# Altium PCB PCB1.PcbDoc
Units mm, origin at the board's own origin, x right, y up, seen from the top; angles counter-clockwise.
Board outline 100 x 100 mm, 2 copper layers (Top Layer, Bottom Layer); 98 components, 56 nets, 328 pads, 151 vias.
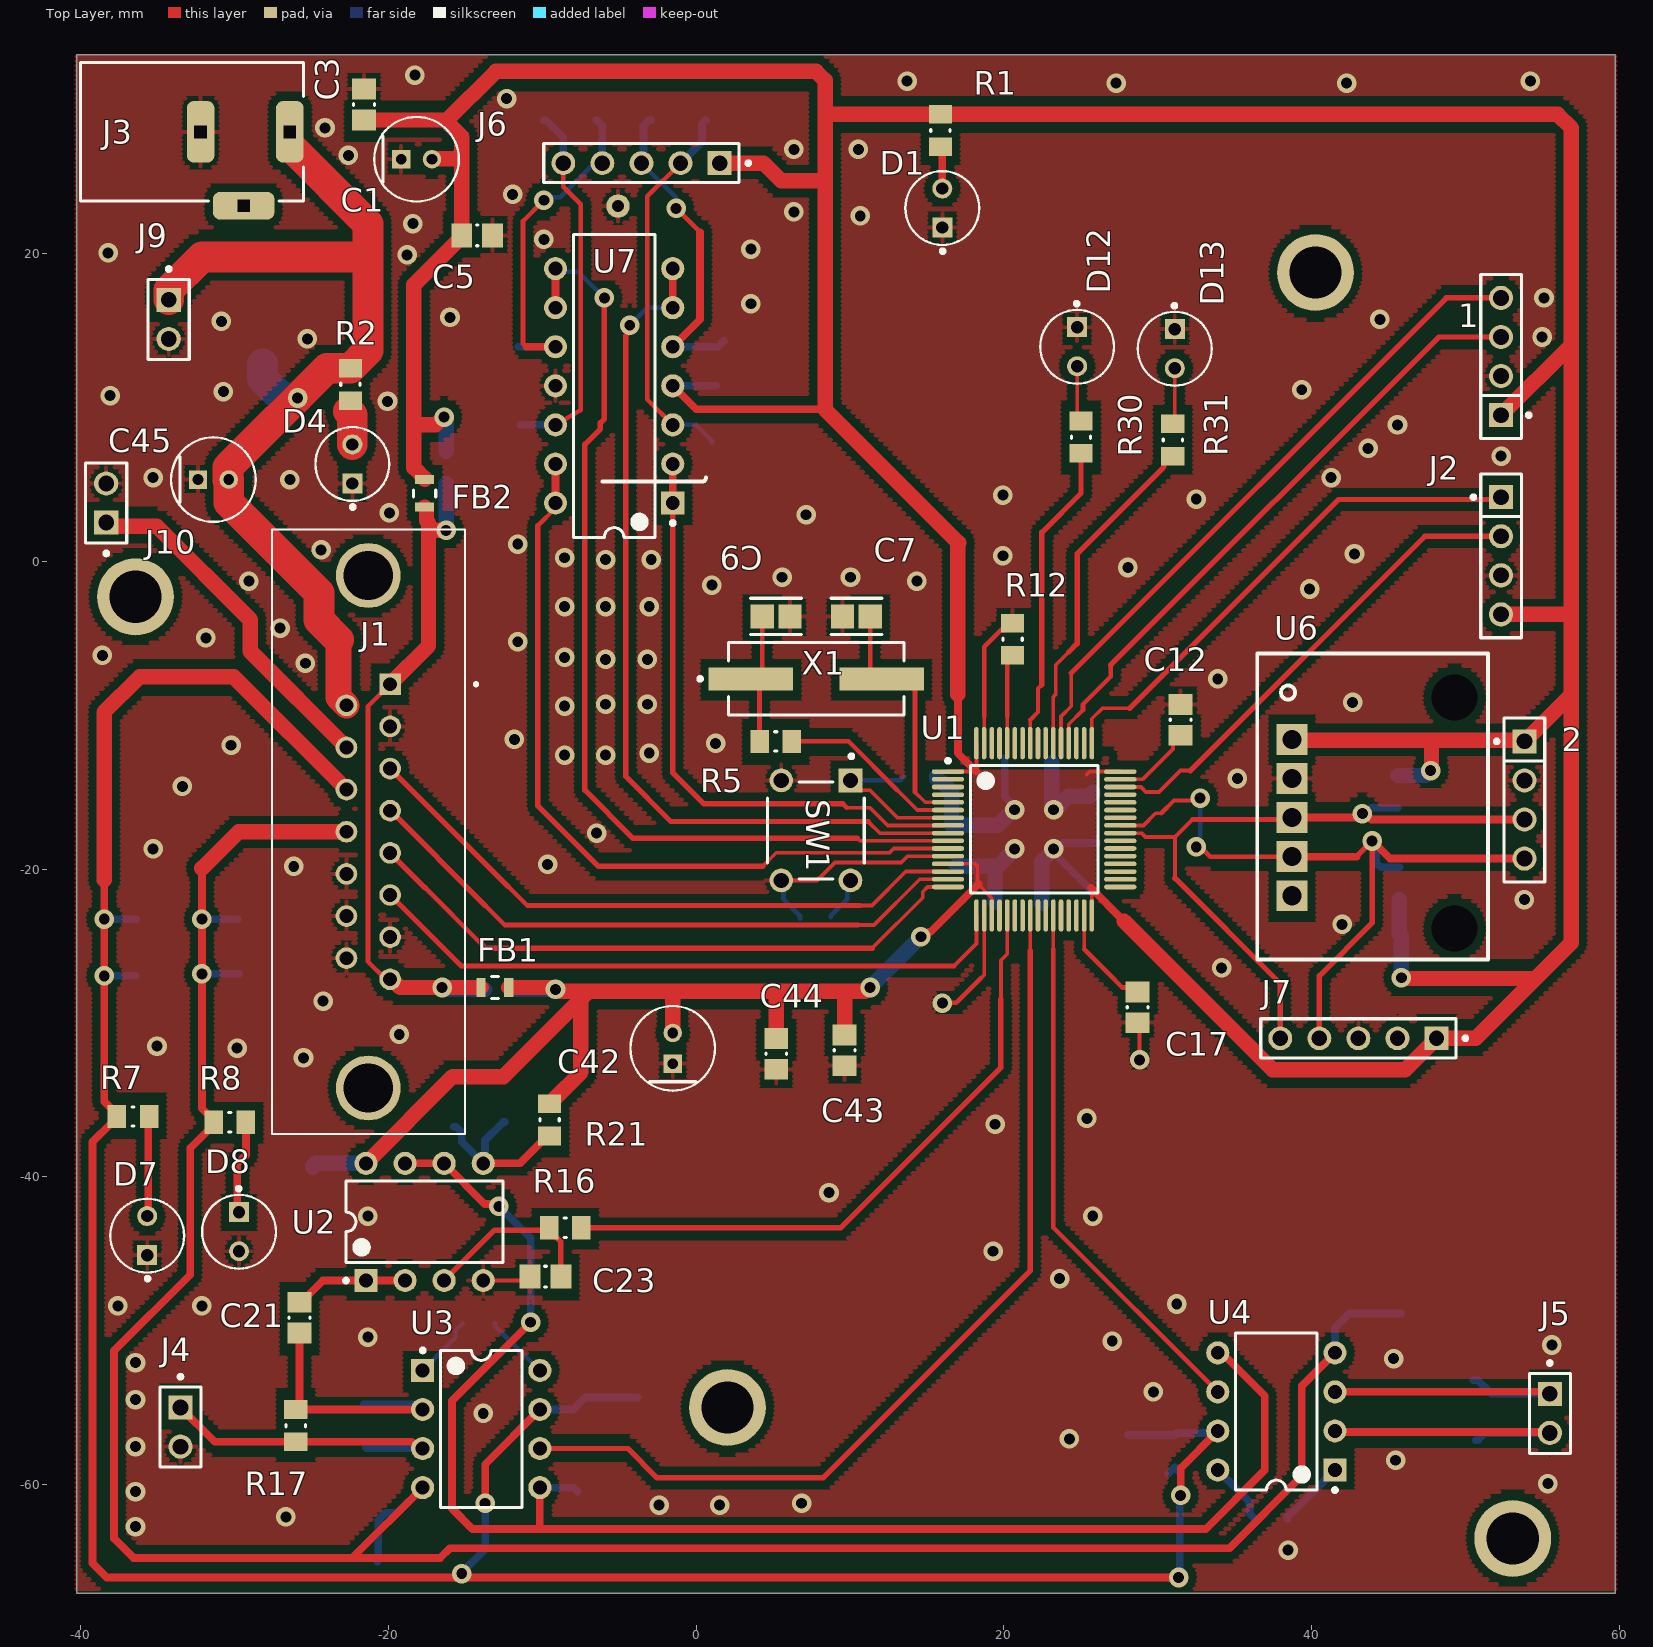
[diagram p0: Top Layer view]
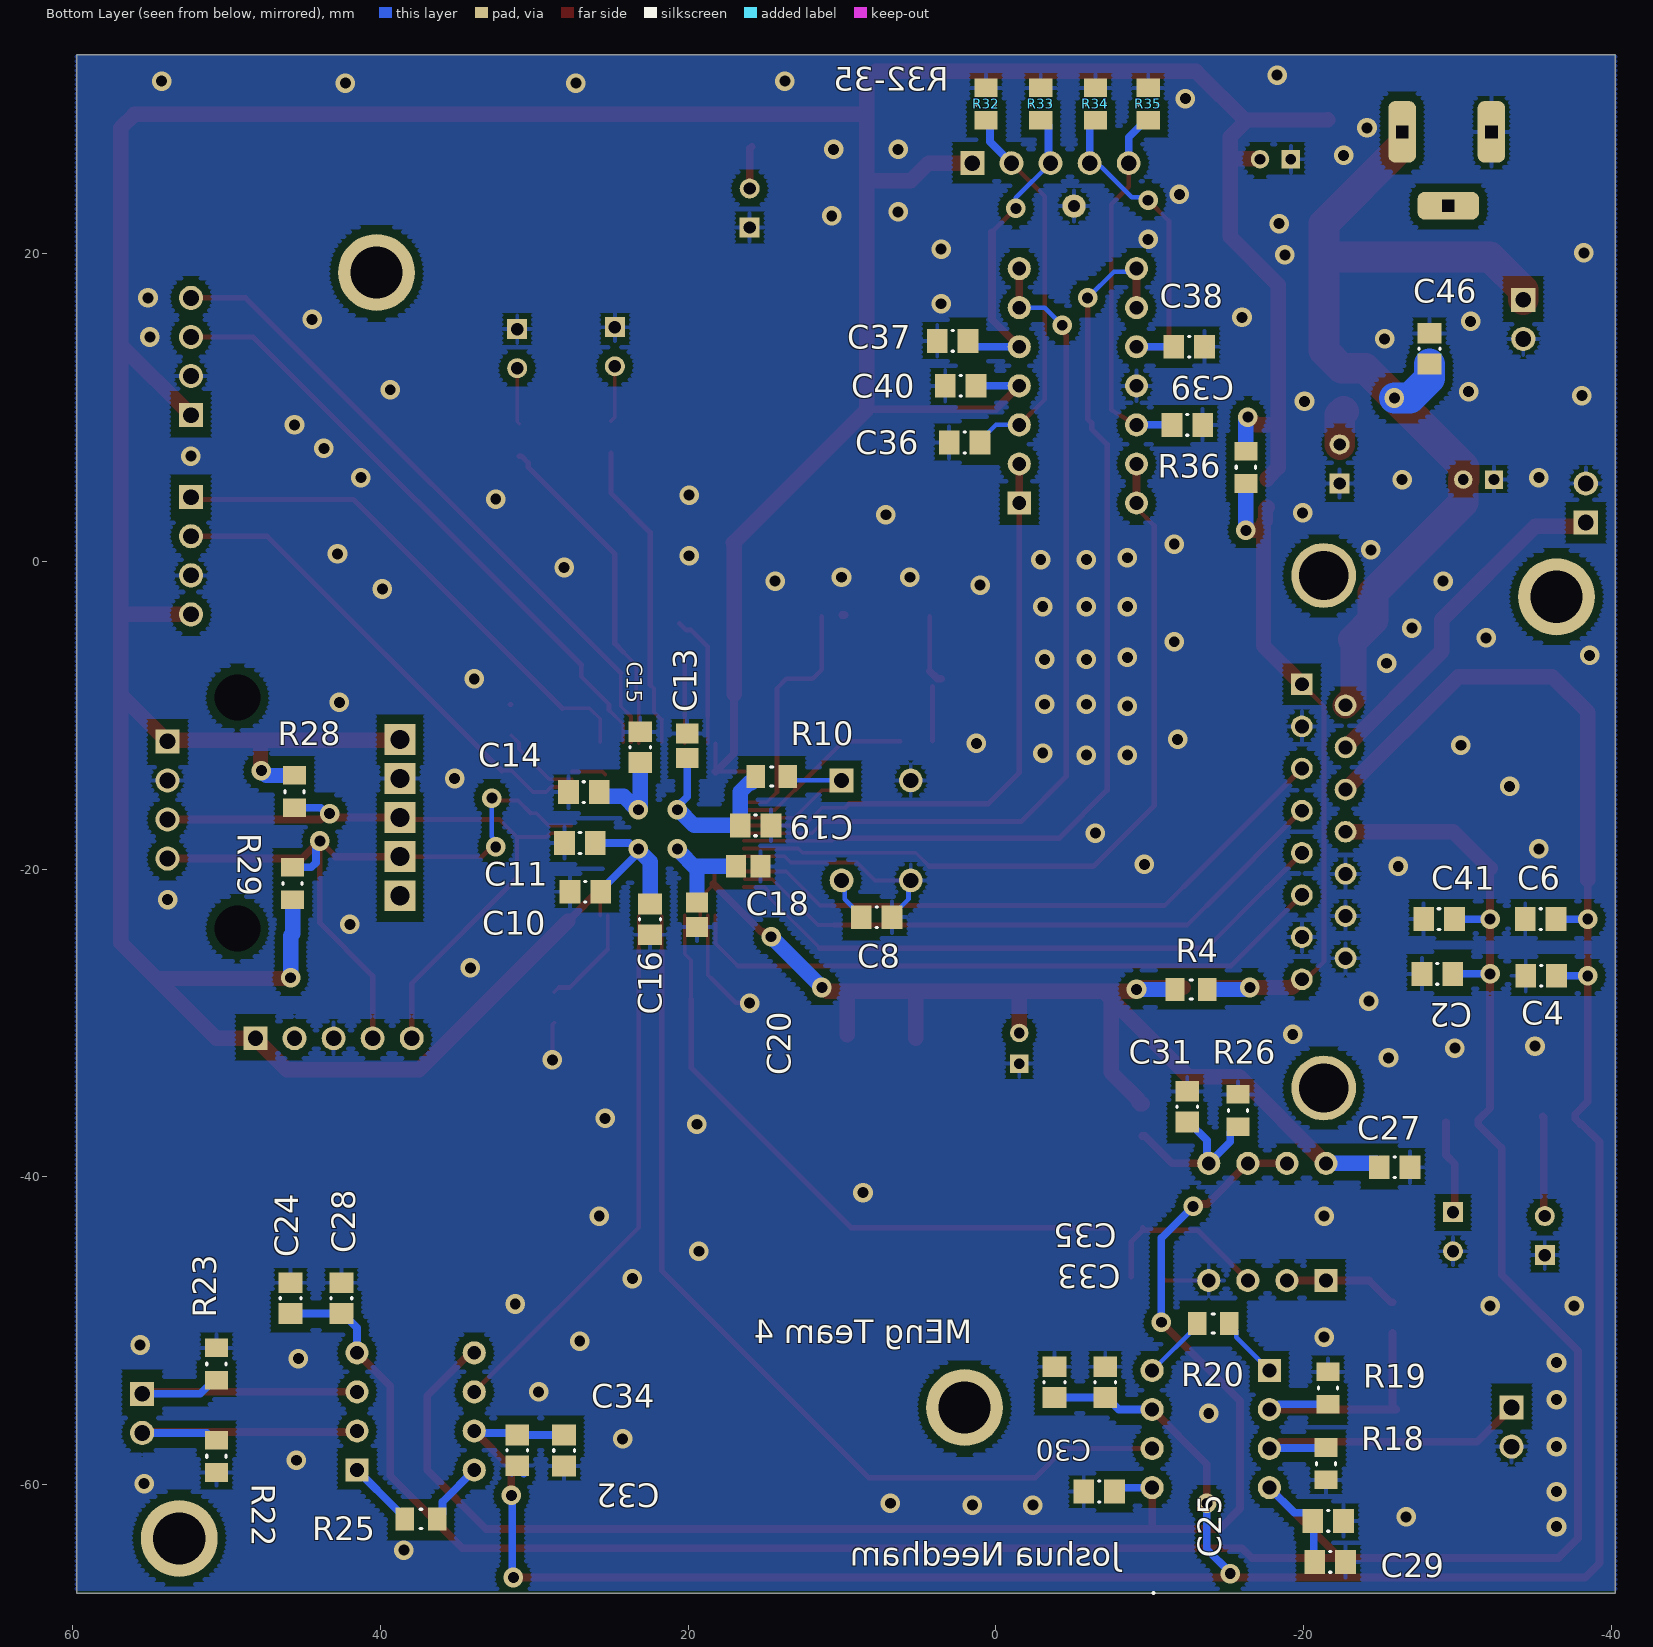
[diagram p1: Bottom Layer view, seen from below]
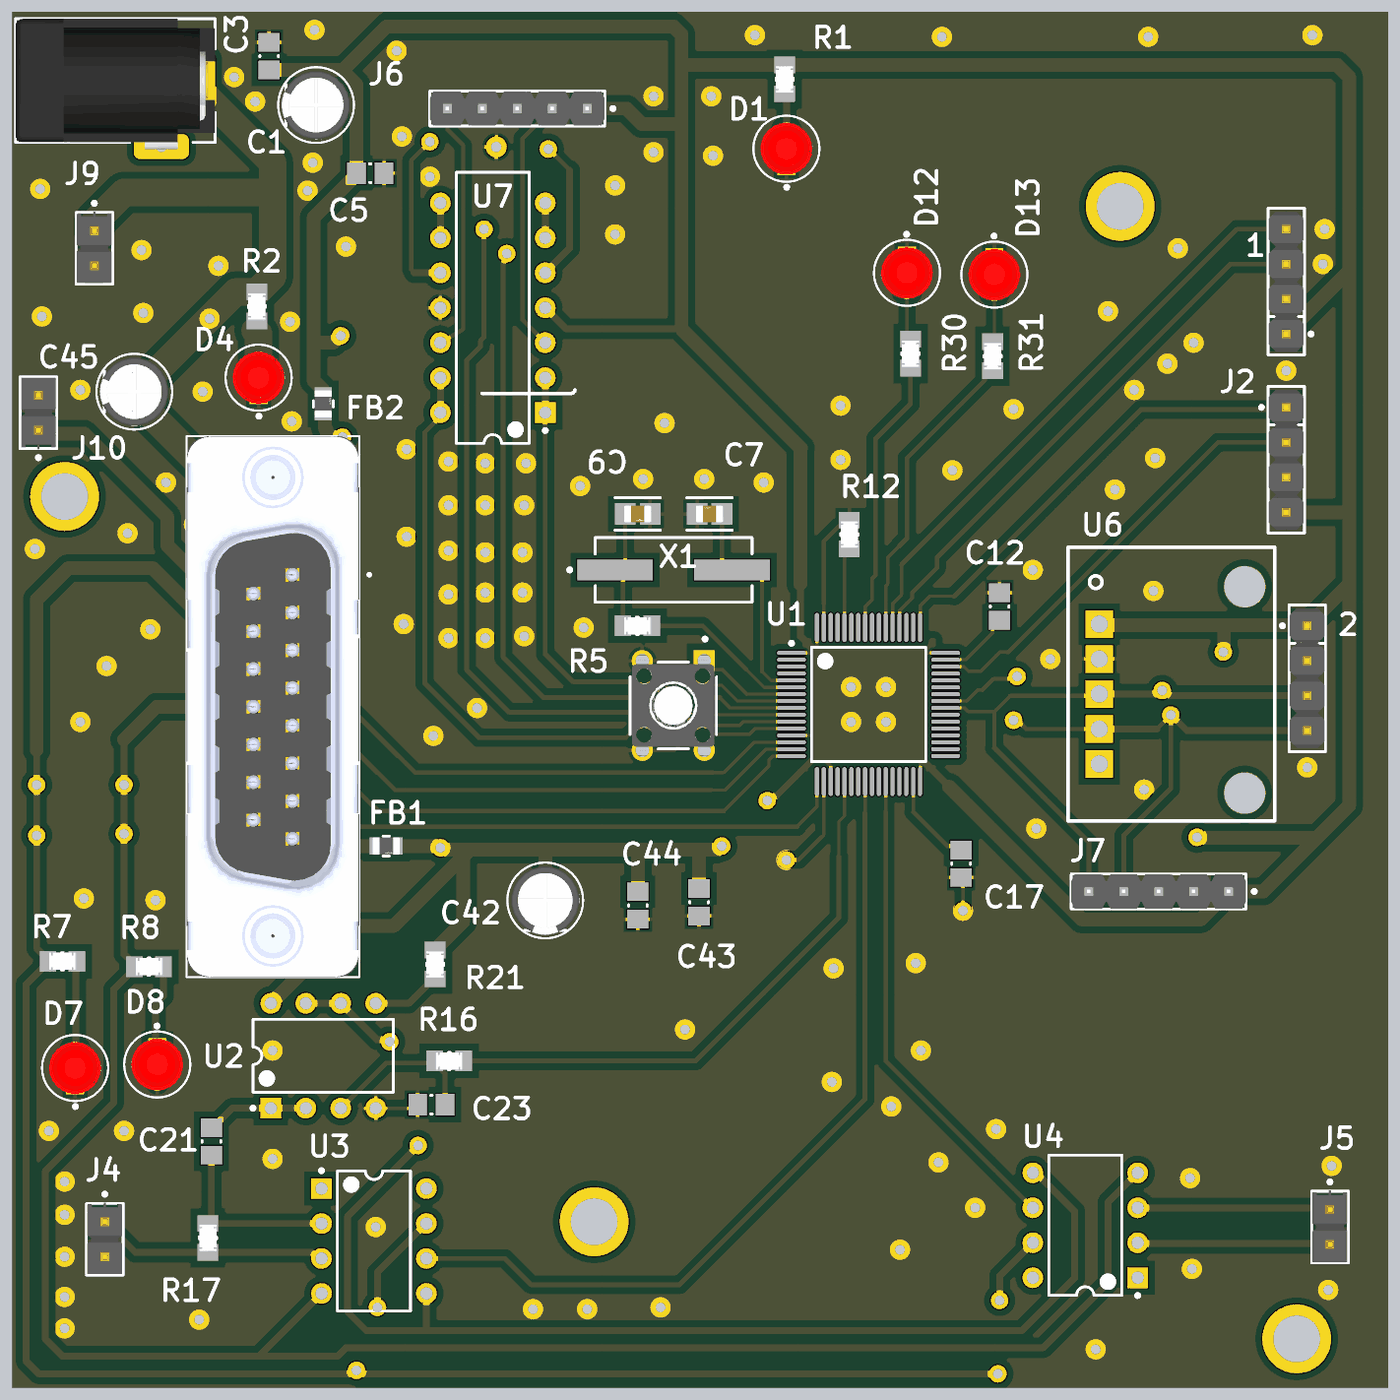
[diagram p2: 3D render of the assembled board from above, using the file's embedded part models]

## Layer stack, top to bottom
Top Solder: solder mask 0.0102, Solder Resist, Dk 3.5
Top Layer: signal copper 0.0356
Dielectric 1: dielectric 0.32, FR-4, Dk 4.8
Bottom Layer: signal copper 0.0356
Bottom Solder: solder mask 0.0102, Solder Resist, Dk 3.5

## Board outline
-40.259,-67.056 -40.259,32.944 59.741,32.944 59.741,-67.056

## Design rules (kind name [scope] priority, off if disabled: settings)
Clearance [All] p1: gap=0.5 ignorepadtopadclearanceinfootprint=FALSE
HoleSize [All] p1: absolutevalues=TRUE maxlimit=6 minlimit=0.3 maxpercent=80.000 minpercent=20.000
HoleToHoleClearance [All] p1: gap=0.3 allowstackedmicrovias=TRUE
PlaneConnect PlaneConnect_2 [All] p1: planeconnectstyle=Relief reliefexpansion=0.508 reliefentries=4 reliefconductorwidth=0.254 reliefairgap=0.254
PlaneConnect PlaneConnect_1 [All] p2: planeconnectstyle=Relief reliefexpansion=0.508 reliefentries=4 reliefconductorwidth=0.254 reliefairgap=0.254
PlaneConnect [All] p3: planeconnectstyle=Relief reliefexpansion=0.508 reliefentries=4 reliefconductorwidth=0.254 reliefairgap=0.254
PolygonConnect IsVia [All] p1: thpad.connectstyle=Relief thpad.reliefconductorwidth=0.254 thpad.reliefentries=4 thpad.polygonreliefangle="90 Angle" thpad.airgapwidth=0.254 smdpad.connectstyle=Relief smdpad.reliefconductorwidth=0.254 smdpad.reliefentries=4 smdpad.polygonreliefangle="90 Angle" smdpad.airgapwidth=0.254 via.connectstyle=Direct via.reliefconductorwidth=0.254 via.reliefentries=4 via.polygonreliefangle="90 Angle" via.airgapwidth=0.254
RoutingVias [All] p1: holewidth=0.711 width=1.27 viastyle="Through Hole" minholewidth=0.711 minwidth=1.27 maxholewidth=0.711 maxwidth=1.27
SilkToSilkClearance [All] p1: silktosilkclearance=0.3
SolderMaskExpansion [All] p1: expansion=0.102 istentingtop=FALSE
SupplyNets "Schematic Supply Nets_2" [InNet('GND')] p1: voltage=0.000
SupplyNets "Schematic Supply Nets_6" [InNet('+3V3_RAW')] p2: voltage=0.000
SupplyNets "Schematic Supply Nets_11" [InNet('+3V3')] p3: voltage=0.000
SupplyNets "Schematic Supply Nets_8" [InNet('+5V')] p4: voltage=0.000
SupplyNets "Schematic Supply Nets_7" [InNet('+15V')] p5: voltage=0.000
SupplyNets "Schematic Supply Nets_5" [InNet('+1.65V')] p6: voltage=0.000
SupplyNets "Schematic Supply Nets_1" [InNet('-15V')] p7: voltage=0.000
Width [All] p1: maxlimit=2 minlimit=0.1 preferedwidth=0.35 bottomlayer_minwidth=0.3 minimp=50.000000 maximp=50.000000 favimp=50.000000
26 further rules are at their usual default settings.

## Classes and differential pairs
component class Salinity: C21 C23 C24 C25 C27 C28 C29 C30 C31 C32 C33 C34 C35 J4 J5 R16 R17 R18 R19 R20 R21 R22 R23 R25 R26 U2 U3 U4
component class OtherSensors: 1 2 C36 C37 C38 C39 C40 D12 D13 J6 J7 R28 R29 R30 R31 R32 R33 R34 R35 U6 U7
component class Duaghter_STM: C1 C2 C3 C4 C5 C6 C7 C8 C9 C10 C11 C12 C13 C14 C15 C16 C17 C18 C19 C20 C41 C42 C43 C44 C45 C46 D1 D4 D7 D8 FB1 FB2 J1 J2 J3 J9 J10 R1 R2 R4 R5 R7 R8 R10 R12 R36 SW1 U1 X1

## Components (designator, comment, footprint, x,y, rotation, side; value= is the part's Value field where it differs from the comment)
1 "M20-9990445" FP-M20-9990445-MFG 52.324,13.335 r90 top
2 "M20-9990445" FP-M20-9990445-MFG 53.848,-15.494 r270 top
C1 "47uF" FP-RAD-TH-D_5_0_5-L_11_1-MFG -18.177,26.162 r0 top
C2 "100nF" CAPC0805(2012)100_M -28.702,-26.797 r180 bottom
C3 "100nF" CAPC0805(2012)100_M -21.59,29.718 r270 top
C4 "100nF" CAPC0805(2012)100_M -35.449,-26.924 r180 bottom
C5 "10uF" CAPC0805(2012)100_M -14.24,21.209 r180 top value=100nF
C6 "10uF" CAPC0805(2012)100_M -35.417,-23.241 r180 bottom value=100nF
C7 "27pF" FP-GRM21A-0_2-IPC_A 10.414,-3.556 r180 top
C8 "100nF" CAPC0805(2012)100_M 7.747,-23.114 r0 bottom
C9 "27pF" FP-GRM21A-0_2-IPC_A 5.195,-3.556 r0 top
C10 "100nF" CAPC0805(2012)100_M 26.686,-21.463 r180 bottom
C11 "100nF" CAPC0805(2012)100_M 27.035,-18.288 r180 bottom
C12 "2.2uF" CAPC0805(2012)100_M 31.496,-10.287 r270 top value=100nF
C13 "4.7uF" CAPC2013X140X50NL20T25 20.066,-11.976 r270 bottom
C14 "100nF" CAPC0805(2012)100_M 26.781,-14.986 r180 bottom
C15 "100nF" CAPC0805(2012)100_M 23.114,-12.065 r270 bottom
C16 "100nF" CAPC0805(2012)100_M 22.479,-23.257 r90 bottom
C17 "2.2uF" CAPC0805(2012)100_M 28.702,-28.972 r90 top value=100nF
C18 "1uF" CAPC2013X140X50NL20T25 16.091,-19.812 r0 bottom
C19 "100nF" CAPC0805(2012)100_M 15.621,-17.145 r0 bottom
C20 "4.7uF" CAPC2013X140X50NL20T25 19.431,-22.949 r90 bottom
C21 "10nF" CAPC0805(2012)100_M -25.781,-49.149 r90 top value=100nF
C23 "4.7 nF" CAPC0805(2012)100_M -9.795,-46.482 r0 top value=100nF
C24 "10uF" CAPC0805(2012)100_M 45.847,-47.879 r270 bottom value=100nF
C25 "10uF" CAPC0805(2012)100_M -21.733,-65.024 r0 bottom value=100nF
C27 "100nF" CAPC0805(2012)100_M -25.924,-39.37 r0 bottom
C28 "100nF" CAPC0805(2012)100_M 42.545,-47.879 r270 bottom
C29 "100nF" CAPC0805(2012)100_M -21.606,-62.357 r0 bottom
C30 "100nF" CAPC0805(2012)100_M -6.715,-60.452 r180 bottom
C31 "100nF" CAPC0805(2012)100_M -12.446,-35.433 r270 bottom
C32 "10uF" CAPC0805(2012)100_M 31.115,-57.769 r90 bottom value=100nF
C33 "10uF" CAPC0805(2012)100_M -7.112,-53.34 r270 bottom value=100nF
C34 "100nF" CAPC0805(2012)100_M 28.067,-57.785 r90 bottom
C35 "100nF" CAPC0805(2012)100_M -3.81,-53.34 r270 bottom
C36 "100nF" CAPC0805(2012)100_M 2.032,7.747 r180 bottom
C37 "100nF" CAPC0805(2012)100_M 2.81,14.351 r180 bottom
C38 "100nF" CAPC0805(2012)100_M -12.573,13.97 r0 bottom
C39 "100nF" CAPC0805(2012)100_M -12.446,8.89 r0 bottom
C40 "100nF" CAPC0805(2012)100_M 2.286,11.43 r180 bottom
C41 "10uF" CAPC0805(2012)100_M -28.813,-23.241 r180 bottom value=100nF
C42 "47uF" FP-RAD-TH-D_5_0_5-L_11_1-MFG -1.524,-31.639 r90 top
C43 "10uF" CAPC0805(2012)100_M 9.652,-31.766 r90 top value=100nF
C44 "100nF" CAPC0805(2012)100_M 5.207,-32.004 r90 top
C45 "47uF" FP-RAD-TH-D_5_0_5-L_11_1-MFG -31.385,5.334 r0 top
C46 "100nF" CAPC0805(2012)100_M -28.194,13.843 r270 bottom
D1 "LTL-1CHEE" FP-LTL-1CHEE-MFG 16.002,22.987 r90 top
D4 "LTL-1CHEE" FP-LTL-1CHEE-MFG -22.352,6.35 r90 top
D7 "LTL-1CHEE" FP-LTL-1CHEE-MFG -35.687,-43.815 r90 top
D8 "LTL-1CHEE" FP-LTL-1CHEE-MFG -29.718,-43.561 r270 top
D12 "LTL-1CHEE" FP-LTL-1CHEE-MFG 24.765,13.97 r270 top
D13 "LTL-1CHEE" FP-LTL-1CHEE-MFG 31.115,13.843 r270 top
FB1 "BLM21PG601SN1D" FP-BLM21-0_2-t0_85-e0_5-MFG -13.081,-27.686 r0 top
FB2 "BLM21PG601SN1D" FP-BLM21-0_2-t0_85-e0_5-MFG -17.653,4.445 r90 top
J1 "LD15P24A4GV00LF" AMPHENOL_LD15P24A4GV00LF -21.313,-17.561 r270 top
J2 "M20-9990445" FP-M20-9990445-MFG 52.324,0.381 r270 top
J3 "694106301002" 694106301002 -32.766,27.94 r270 top
J4 "TSW-102-12-T-S" FP-TSW-102-12-T-S-MFG -33.528,-56.261 r270 top
J5 "TSW-102-12-T-S" FP-TSW-102-12-T-S-MFG 55.499,-55.372 r270 top
J6 "90120-0125" FP-90120-0125-MFG -3.556,25.908 r180 top
J7 "90120-0125" FP-90120-0125-MFG 43.053,-30.988 r180 top
J9 "TSW-102-12-T-S" FP-TSW-102-12-T-S-MFG -34.29,15.748 r270 top
J10 "TSW-102-12-T-S" FP-TSW-102-12-T-S-MFG -38.354,3.81 r90 top
R1 "650R" FP-CRCW0805-e3-IPC_A 15.875,28.032 r90 top
R2 "1.5k" FP-CRCW0805-e3-IPC_A -22.479,11.522 r90 top
R4 "0R" FP-CRCW0805-e3-IPC_A -12.7,-27.813 r180 bottom
R5 "0R" FP-CRCW0805-e3-IPC_A 5.172,-11.684 r0 top
R7 "6k" FP-CRCW0805-e3-IPC_A -36.611,-36.068 r180 top
R8 "6k" FP-CRCW0805-e3-IPC_A -30.318,-36.449 r180 top
R10 "10 k" FP-CRCW0805-e3-IPC_A 14.57,-13.97 r0 bottom
R12 "10k" FP-CRCW0805-e3-IPC_A 20.574,-5.045 r270 top
R16 "20k" FP-CRCW0805-e3-IPC_A -8.509,-43.307 r180 top
R17 "1R" FP-CRCW0805-e3-IPC_A -26.035,-56.169 r270 top
R18 "100k" FP-CRCW0805-e3-IPC_A -21.463,-58.639 r270 bottom
R19 "100k" FP-CRCW0805-e3-IPC_A -21.59,-53.721 r90 bottom
R20 "25R" FP-CRCW0805-e3-IPC_A -14.132,-49.53 r0 bottom
R21 "20k" FP-CRCW0805-e3-IPC_A -9.525,-36.287 r90 top
R22 "100k" FP-CRCW0805-e3-IPC_A 50.673,-58.166 r270 bottom
R23 "100k" FP-CRCW0805-e3-IPC_A 50.673,-52.162 r90 bottom
R25 "510R" FP-CRCW0805-e3-IPC_A 37.373,-62.23 r180 bottom
R26 "20k" FP-CRCW0805-e3-IPC_A -15.748,-35.687 r270 bottom
R28 "4.7k" FP-CRCW0805-e3-IPC_A 45.593,-14.951 r90 bottom
R29 "4.7k" FP-CRCW0805-e3-IPC_A 45.72,-20.92 r270 bottom
R30 "100R" FP-CRCW0805-e3-IPC_A 25.019,8.093 r270 top
R31 "100R" FP-CRCW0805-e3-IPC_A 30.988,7.909 r270 top
R32 "15k" FP-CRCW0805-e3-IPC_A 0.635,29.753 r270 bottom
R33 "15k" FP-CRCW0805-e3-IPC_A -2.921,29.753 r270 bottom
R34 "15k" FP-CRCW0805-e3-IPC_A -6.477,29.753 r270 bottom
R35 "15k" FP-CRCW0805-e3-IPC_A -9.906,29.753 r270 bottom
R36 "0R" FP-CRCW0805-e3-IPC_A -16.256,6.131 r270 bottom
SW1 "2-1825910-7" FP-2-1825910-7-MFG 7.783,-17.474 r0 top
U1 "STM32F405RGT6" STM-LQFP64_M 21.971,-17.399 r0 top
U2 "TLV272IP" P0008A -17.653,-42.926 r90 top
U3 "INA129P" P0008A -13.97,-56.388 r0 top
U4 "INA129P" P0008A 37.719,-55.245 r180 top
U6 "SEN0142" PCBComponent_1 49.306,-8.843 r270 top
U7 "LM324AN" N0014A -5.334,11.43 r180 top
X1 "HCM49-8.000MABJ-UT" CFM-HCM49-2_V 7.806,-7.62 r0 top

## Footprints (in the part's own frame and the unit in brackets; to place one, negate y for a bottom-side part, rotate by r counter-clockwise, add the part's x,y. Pads: shape width x height; smd on the part's side, far side on the other; paste and mask are expansions set on the pad)
694106301002 [mm] "DC Power Jack Right Angled(6.4)"
  rrect50% 4x1.8 hole 0.8 square: 1(0,6.35) 2(0,0.55)
  rrect50% 1.8x4 hole 0.8 square: 3(4.8,3.35)
  silkscreen extent -4.5,-7.25 4.5,7.25, body extent -4.5,-7.25 5,7.25, height 10.75
AMPHENOL_LD15P24A4GV00LF [mm]
  rect 1.408x1.408 / inner round 1.408 / far side rect 1.408x1.408 hole 0.9: 1(-9.59,1.42)
  round 1.408 hole 0.9: 2(-6.85,1.42) 3(-4.11,1.42) 4(-1.37,1.42) 5(1.37,1.42) 6(4.11,1.42) 7(6.85,1.42) 8(9.59,1.42) 9(-8.22,-1.42) 10(-5.48,-1.42) 11(-2.74,-1.42) 12(0,-1.42) 13(2.74,-1.42) 14(5.48,-1.42) 15(8.22,-1.42)
  round 4.216 hole 3.2: SH1(-16.66,0) SH2(16.66,0)
  silkscreen extent -19.66,-6.27 19.66,7.1, body extent -19.66,-6.27 19.66,6.27, height 12.15
CAPC0805(2012)100_M [mm] "Chip Capacitor, Body 2.0x1.2mm, Height 1.0mm, IPC Low Density"
  rect 1.35x1.55 smd: 1(-1,0) 2(1,0)
  silkscreen extent -0.05,-0.67 0.05,0.67, body extent -1.1,-0.72 1.1,0.72, height 1
CAPC2013X140X50NL20T25 [mm] "Chip Capacitor, 2-Leads, Body 2.00x1.25mm, IPC Medium Density"
  rect 1.3x1.45 smd: 1(-0.8,0) 2(0.8,0)
  body extent -1.1,-0.72 1.1,0.72, height 1.4
CFM-HCM49-2_V [mm] "SMD, 2-Leads, Body 11.4x4.7mm, Pitch 8.5mm"
  rect 5.5x1.5 smd: 1(-4.25,0) 2(4.25,0)
  silkscreen extent -7.67,-2.35 5.7,2.35, body extent -5.7,-2.35 5.7,2.35, height 4.3
FP-2-1825910-7-MFG [mm]
  rect 1.54x1.54 hole 0.99 paste-2539.97 mask+0: 1(2.25,3.25)
  round 1.54 hole 0.99 paste-2539.97 mask+0: 2(2.25,-3.25) 3(-2.25,3.25) 4(-2.25,-3.25)
  silkscreen extent -3.15,-3.15 3.15,4.95, body extent -3.24,-4.12 3.24,4.12, height 0.25
FP-90120-0125-MFG [mm]
  rect 1.55x1.55 hole 1 paste-2539.97 mask+0: 1(-5.08,0)
  round 1.55 hole 1 paste-2539.97 mask+0: 2(-2.54,0) 3(0,0) 4(2.54,0) 5(5.08,0)
  silkscreen extent -7.07,-1.27 6.35,1.27, body extent -6.45,-1.37 6.45,1.37, height 0.25
FP-BLM21-0_2-t0_85-e0_5-MFG [mm]
  rect 0.6x1.25 smd paste+0 mask+0: 1(-0.9,0) 2(0.9,0)
  silkscreen extent -0.23,-0.72 0.23,0.72, body extent -1.3,-0.82 1.3,0.82, height 0.25
FP-CRCW0805-e3-IPC_A [mil]
  rect 47.5x59.38 smd paste+0 mask+0: 1(-41.37,0) 2(41.37,0)
  silkscreen extent -3,-25 3,25, body extent -85,-49 85,49, height 10
FP-GRM21A-0_2-IPC_A [mm]
  rect 1.505x1.556 smd paste+0 mask+0: 1(-0.901,0) 2(0.901,0)
  silkscreen extent -1.65,-1.18 1.65,1.18, body extent -2.15,-1.28 2.15,1.28, height 0.25
FP-LTL-1CHEE-MFG [mm]
  rect 1.3x1.3 hole 0.8 paste-2539.97 mask+0: 1(-1.27,0)
  round 1.3 hole 0.8 paste-2539.97 mask+0: 2(1.27,0)
  silkscreen extent -2.92,-2.4 2.4,2.4, body extent -2.15,-2.15 2.15,2.15, height 0.25
FP-M20-9990445-MFG [mm]
  rect 1.57x1.57 hole 1.02 paste-2539.97 mask+0: 1(-3.81,0)
  round 1.57 hole 1.02 paste-2539.97 mask+0: 2(-1.27,0) 3(1.27,0) 4(3.81,0)
  silkscreen extent -5.33,-1.92 5.33,1.32, body extent -5.43,-1.42 5.43,1.42, height 0.25
FP-RAD-TH-D_5_0_5-L_11_1-MFG [mm]
  rect 1.2x1.2 hole 0.7 paste-2539.97 mask+0: 1(-1,0)
  round 1.2 hole 0.7 paste-2539.97 mask+0: 2(1,0)
  silkscreen extent -2.75,-2.75 2.75,2.75, body extent -2.85,-2.85 2.85,2.85, height 0.25
FP-TSW-102-12-T-S-MFG [mm]
  rect 1.57x1.57 hole 1.02 paste-2539.97 mask+0: 1(-1.27,0)
  round 1.57 hole 1.02 paste-2539.97 mask+0: 2(1.27,0)
  silkscreen extent -3.4,-1.34 2.61,1.34, body extent -2.71,-1.44 2.71,1.44, height 0.25